# Altium PCB HEXIWEAR_MainBoard_v106.PcbDoc (part 1 of 3) (continued)
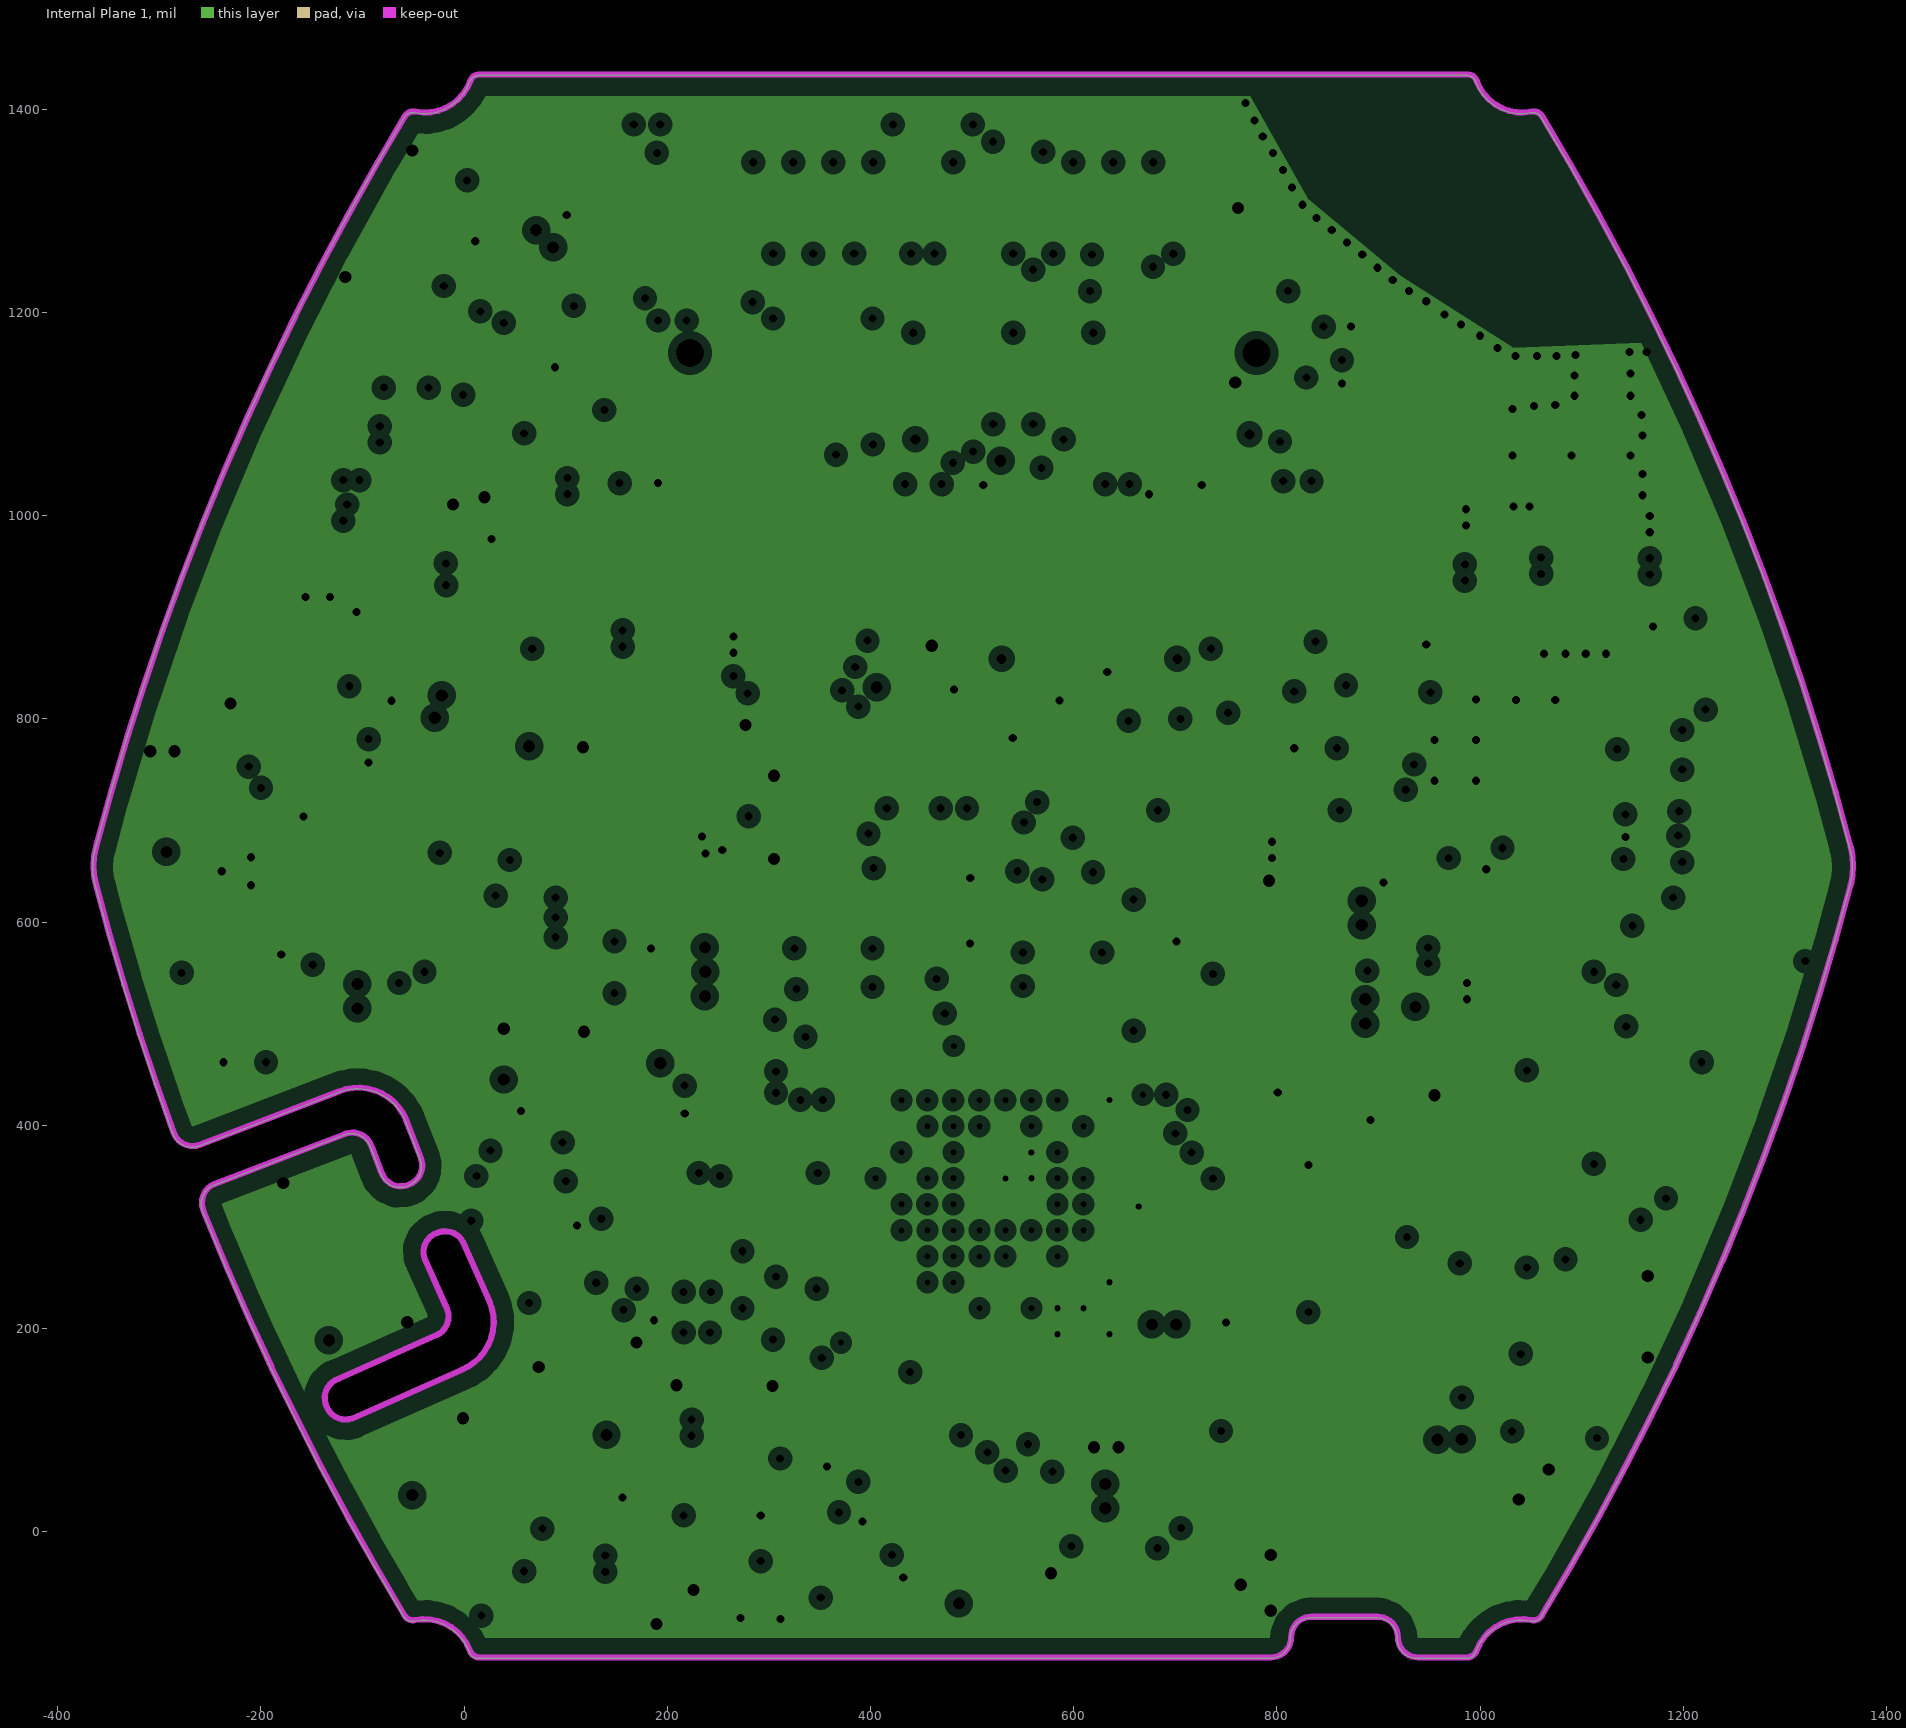
[diagram p5: Internal Plane 1, clearances drawn from the general rule]

## Layer stack, top to bottom
Top Solder: solder mask 0.4, Solder Resist, Dk 3.5
Top Layer: signal copper 1.4
Dielectric 1: core 10, FR-4, Dk 4.2
Internal Plane 2: plane copper 1.417, net (Multiple Nets)
Dielectric 5: prepreg 5, Dk 4.2
Signal Layer 1: signal copper 1.417
Dielectric 3: prepreg 5, Dk 4.2
Signal Layer 2: signal copper 1.417
Dielectric 4: core 10, Dk 4.2
Internal Plane 1: plane copper 1.417, net GND
Dielectric 2: core 10, Dk 4.2
Bottom Layer: signal copper 1.4
Bottom Solder: solder mask 0.4, Solder Resist, Dk 3.5

## Board outline
-256.81,313.88 cw(c-238.84,322.65) -247.6,340.63 -117.47,390.58 cw(c-110.96,371.67) -92.05,378.18 -82.09,352.25 -82.09,352.24 ccw(c-63.18,358.76) -54.23,340.87 ccw(c-62.06,359.28) -43.12,365.71 -43.11,365.71 -57.95,404.37 ccw(c-105.03,384.98) -124.42,432.06 -261.39,379.49 cw(c-267.9,398.4) -286.81,391.88 -286.79,391.89 cw(c2296.72,1334.98) -363.19,635.84 cw(c-293.46,654.16) -363.19,672.51 cw(c2296.53,-27.38) -59.16,1392.01 cw(c-50.73,1386.93) -48.76,1396.57 ccw(c-39.29,1443.04) 5.24,1426.74 cw(c14.48,1423.35) 14.48,1433.19 986.62,1433.19 cw(c986.62,1423.35) 995.86,1426.74 ccw(c1040.39,1443.04) 1049.84,1396.57 cw(c1051.81,1386.93) 1060.24,1392 cw(c-1295.9,-26.65) 1364.02,672.49 cw(c1294.29,654.16) 1364.02,635.82 cw(c-1295.7,1335.71) 1059.99,-83.68 cw(c1051.56,-78.6) 1049.59,-88.25 ccw(c1040.12,-134.71) 995.59,-118.41 cw(c986.35,-115.02) 986.35,-124.87 938.19,-124.87 cw(c938.19,-104.87) 918.19,-104.87 ccw(c898.19,-104.87) 898.19,-84.87 833.19,-84.87 ccw(c833.19,-104.87) 813.19,-104.87 cw(c793.19,-104.87) 793.19,-124.87 14.21,-124.87 cw(c14.21,-115.02) 4.97,-118.41 ccw(c-39.56,-134.71) -49.02,-88.24 cw(c-50.98,-78.6) -59.41,-83.68 cw(c2296.72,1334.98)
cut-out: -135.13,122.52 ccw(c-116.73,130.35) -110.29,111.41 -110.24,111.28 -2.18,159.39 ccw(c-21.76,206.39) 25.23,225.98 -0.82,284.51 -0.83,284.5 ccw(c-18.77,275.66) -26.26,294.21 ccw(c-19.93,275.24) -37.91,266.47 -37.92,266.48 -17.39,220.38 cw(c-35.37,211.61) -26.6,193.64 -123.76,150.38 ccw(c-117.25,131.47)

## Design rules (kind name [scope] priority, off if disabled: settings)
Clearance [All] p1: gap=4
Clearance Clearance_Via/Pad [isVia or isPad vs isTrack or isPad or isVia] p2: gap=6
Clearance Clearance_HiSpeed [InNetClass('HiSpeed') and isTrack] p3: gap=12
Clearance "Clearance_Diff to Poly" [(InDifferentialPairClass('All Differential Pairs')) vs inPoly] p4: gap=16
ComponentClearance [All] p1 off: gap=5 collisioncheckmode=3 verticalgap=100000 showdistances=FALSE
DiffPairsRouting [All] p1: maxlimit=10 minlimit=10 mostfreqgap=10 toplayer_minwidth=4 toplayer_maxwidth=15 toplayer_prefwidth=15 midlayer1_minwidth=4 midlayer1_maxwidth=15 midlayer1_prefwidth=15 midlayer2_minwidth=4 midlayer2_maxwidth=15 midlayer2_prefwidth=15 bottomlayer_minwidth=4 bottomlayer_maxwidth=15 bottomlayer_prefwidth=15 maxuncoupledlength=500
HoleSize [All] p1: absolutevalues=TRUE maxlimit=100 minlimit=6 maxpercent=80.000 minpercent=20.000
HoleToHoleClearance [All] p1: gap=8 allowstackedmicrovias=TRUE
MinimumSolderMaskSliver [All] p1: minsoldermaskwidth=3
PlaneClearance [All] p1: clearance=8
PlaneConnect [All] p1: planeconnectstyle=Direct reliefexpansion=20 reliefentries=4 reliefconductorwidth=10 reliefairgap=10
PolygonConnect PolygonConnect_Via [isVia] p1: connectstyle=Direct reliefconductorwidth=10 reliefentries=4 polygonreliefangle="90 Angle" airgapwidth=10
PolygonConnect PolygonConnect_Pad [isPad] p2: connectstyle=Relief reliefconductorwidth=10 reliefentries=4 polygonreliefangle="90 Angle" airgapwidth=10
RoutingVias [All] p1: holewidth=28 width=50 viastyle="Through Hole" minholewidth=6 minwidth=14 maxholewidth=28 maxwidth=50
SilkToSilkClearance [All] p1: silktosilkclearance=1
SilkToSolderMaskClearance [IsPad] p1: minsilkscreentomaskgap=1 clearancetoexposedcopper=FALSE
SolderMaskExpansion [All] p1: expansion=3
Width [All] p1: maxlimit=40 minlimit=4 preferedwidth=10 minimp=50.000000 maximp=50.000000 favimp=50.000000
21 further rules are at their usual default settings.

## Classes and differential pairs
net class HiSpeed: I2S0_MCLK I2S0_RX_BCLK I2S0_RX_FS I2S0_RXD0 I2S0_TX_BCLK I2S0_TX_FS I2S0_TXD0 MKW40_RST NetR62_2 NetR63_2 NetR66_2 NetR67_2 SPI0_MISO SPI0_MOSI SPI0_SCK SPI1_MISO SPI1_MOSI SPI1_SCK SPI2_MOSI SPI2_SCK USER_SD_CLK USER_SD_D0 USER_SD_D1 USER_SD_D2 USER_SD_D3
component class Accel&Mag: C15 C16 C17 C18 C19 R11 U2
component class AmbiLight: C20 R12 U3
component class ExtConn: C9 C34 CN2 CONN1 D7 FP2 FP3 R23 R24 R25 R26 R59
component class Flash: C35 R27 R28 R29 R30 U6
component class Gyro: C36 C37 C38 C39 R31 U7
component class Humidity&Temp: C30 U9
component class HEXIWEAR_MainBoard_v106: C1 C4 C5 C6 C7 C10 C11 C12 C13 C14 C65 FM1 FM2 FM3 FM4 FM5 FM6 FP4 R2 R3 R4 R5 R7 R8 R9 R10 R55 R62 R63 R66 R67 U1 X1 Y1
component class MKW40Z: A1 C21 C22 C23 C24 C25 C26 C27 C28 C29 C31 C32 C33 C75 C76 CN1 FP1 R6 R13 R14 R15 R16 R17 R18 R19 R20 R21 R22 R58 U4 U5 X2 X3
component class OLED: C44 C45 C46 C47 C73 D6 OLED1 R33 R34 R35 R54
component class PowerMng: BTN1 C3 C48 C49 C50 C51 C52 C53 C54 C55 C56 C57 C58 C59 C71 C72 CN3 D1 D2 D3 L2 L3 L4 M1 M2 M3 R1 R36 R37 R38 R39 R40 R41 R42 R43 R44 R45 R46 R47 R48 R71 R72 U10 U11 U12 U13 U15 U16
component class Pressure&Temp: C8 C60 C61 C62 U14
component class "RGB_LED & Vibro_Mot": C63 C64 D5 LD1 M4 M5 R49 R50 R51 R52 R53
net class AnalogNets: BAT_SENS
component class Heart-Rate: C40 C41 C42 R32 U8
differential pair USB-D: +USB-D_P -USB-D_N
differential pair D: +D_P -D_N

## Components (designator, comment, footprint, x,y, rotation, side; value= is the part's Value field where it differs from the comment)
A1 "2450AT18A100E" 1206_ANTENNA 1062,1289 r118 bottom
BTN1 "Tact Sw 4.6x2.8" CK-KMR2 501.8,48 r0 bottom
C1 "100nF" 0402 735,210 r270 top
C3 "100pF" 0402 8,718 r90 bottom
C4 "100nF" 0402 695,544.67 r90 top locked
C5 "12pF" 0402 810,344 r0 top locked
C6 "2.2uF" 0603 590,144 r0 top
C7 "12pF" 0402 906,451 r270 top locked
C8 "100nF" 0402 -32,81 r270 bottom
C9 "100nF" 0402 -23,1286 r0 bottom
C10 "100nF" 0402 640,450 r180 bottom locked
C11 "100nF" 0402 645,346 r0 bottom
C12 "100nF" 0402 505,345 r90 bottom locked
C13 "1uF" 0402 540,345 r90 bottom locked
C14 "1uF" 0402 595,244 r0 bottom locked
C15 "100nF" 0402 241.89,122.68 r90 bottom locked
C16 "100nF" 0402 196.89,-47.32 r270 bottom locked
C17 "4.7uF" 0603 156.89,-56.32 r270 bottom
C18 "100nF" 0402 276.89,122.68 r270 bottom locked
C19 "100nF" 0402 391.89,-37.32 r90 bottom locked
C20 "100nF" 0402 -40,1330 r180 top locked
C21 "10uF" 0603 822.69,609.89 r180 bottom locked
C22 "100nF" 0402 837.69,670.89 r180 bottom locked
C23 "100nF" 0402 1211,971 r270 top
C24 "100nF" 0402 968,546 r270 bottom locked
C25 "100nF" 0402 838,789 r180 bottom locked
C26 "100nF" 0402 967.69,971 r90 bottom locked
C27 "10pF" 0402 1042,971 r90 bottom locked
C28 "10pF" 0402 1149,971 r90 bottom locked
C29 "10pF" 0402 1120.47,1151.73 r270 bottom locked
C30 "100nF" 0402 -94.39,196.62 r203 top locked
C31 "1pF" 0402 1095,992 r0 bottom locked
C32 "10pF" 0402 919.69,1185.2 r180 bottom locked
C33 "10pF" 0402 864,1089 r90 bottom locked
C34 "10nF" 0402 -63.4,822.89 r158 bottom
C35 "100nF" 0402 955,477 r270 top locked
C36 "100nF" 0402 170.63,483.82 r90 bottom locked
C37 "100nF" 0402 100.63,483.82 r90 bottom locked
C38 "1uF" 0402 65.63,483.82 r90 bottom locked
C39 "100nF" 0402 135.63,483.82 r270 bottom locked
C40 "100nF" 0402 498.8,825.67 r90 bottom
C41 "10nF" 0402 466,825.67 r90 bottom
C42 "10uF" 0603 428,841 r90 bottom locked
C44 "4.7uF" 0805 1105,973 r270 top
C45 "4.7uF" 0805 60,1070 r180 bottom locked
C46 "1uF" 0402 170,1053 r0 bottom locked
C47 "1uF" 0402 930,805 r270 top locked
C48 "10uF" 0805 -92,1080 r0 top locked
C49 "2.2uF" 0603 -216,977 r270 top
C50 "10uF" 0603 268.28,774.07 r0 bottom locked
C51 "100nF" 0402 199.78,594.06 r180 bottom locked
C52 "1uF" 0402 274.78,594.06 r0 bottom locked
C53 "10uF" 0603 274.78,634.06 r0 bottom locked
C54 "100nF" 0402 618,838 r90 bottom
C55 "1uF" 0402 550.67,806 r0 bottom
C56 "100nF" 0402 653,276 r0 bottom
C57 "1uF" 0402 108,1167 r270 bottom locked
C58 "1uF" 0402 -281,746 r180 bottom
C59 "2.2uF" 0603 -283.58,674.96 r90 bottom locked
C60 "100nF" 0402 98.23,140.98 r270 top locked
C61 "10uF" 0603 140.16,155.67 r270 top locked
C62 "100nF" 0402 48.23,140.98 r270 top locked
C63 "4.7uF" 0603 517,-41 r0 top locked
C64 "10uF" 0603 1007,61 r0 top locked
C65 "10uF" 0603 665,136.5 r270 bottom
C71 "2.2uF" 0603 830,953 r90 bottom
C72 "2.2uF" 0603 659,964 r90 bottom
C73 "1uF" 0402 829,1089 r90 bottom locked
C75 "12pF" 0402 793,725 r270 bottom
C76 "12pF" 0402 661,669 r270 bottom
CN1 "HDR-2X10SMD" "CONN_2X10PIN - NO HOLE" 1249,785 r0 top locked
CN2 "USB MINIAB" "USB_MICRO_SMD V2" -181,1026 r67 bottom locked
CN3 "BATT CONN" SM02B-SRSS-TB(LF)(SN) -224,709 r90 top
CONN1 "50 pin SMD Molex" CONN_2X25PIN 264.87,1135 r270 bottom locked
D1 "PMEG3010ER" SOD123W 143,824 r180 bottom
D2 "PMEG3010ER" SOD123W -27.17,498.19 r180 bottom locked
D3 "PMEG3010ER" SOD123W -111,636 r0 bottom
D5 "BAT43W" SOD123W 899.92,85 r180 top locked
D6 "RB480K" SC-82A 265,953 r270 bottom locked
D7 "PUSBM5V5X4-TL,115" XFDFN-6 33,932 r248 bottom
FM1 "FIDUCIAL MARK" "FIDUCIAL MARK 0.6MM" -36,732 r90 top
FM2 "FIDUCIAL MARK" "FIDUCIAL MARK 0.6MM" 368,1396 r90 top
FM3 "FIDUCIAL MARK" "FIDUCIAL MARK 0.6MM" 605,-74 r90 top locked
FM4 "FIDUCIAL MARK" "FIDUCIAL MARK 0.6MM" 0,0 r90 bottom
FM5 "FIDUCIAL MARK" "FIDUCIAL MARK 0.6MM" 368,1396 r90 bottom
FM6 "FIDUCIAL MARK" "FIDUCIAL MARK 0.6MM" 1235,392 r90 bottom
FP1 "FERRITE" 0603 822,560 r0 bottom
FP2 "FERRITE" 0603 165,1275 r90 bottom locked
FP3 "FERRITE" 0603 -54.07,864.88 r158 bottom
FP4 "FERRITE" 0603 710,136 r90 bottom
L2 "10uH" 0805 -60,920 r270 top locked
L3 "1uH" 0805 189.78,684.06 r270 bottom locked
L4 "10uH" 0805 761,951 r270 bottom
LD1 "LED RGB" LED_RGB_1x1 502,24 r90 top locked
"LOGO MIKROE V1" "Comment" "LOGO MIKROE V1" 33,407 r0 top
"LOGO RECYCLE v1" "Comment" "LOGO RECYCLE V1" 1089,131 r180 bottom
M1 "DMP2160UW" SOT323 64.25,610.81 r0 bottom
M2 "DMP21D0UFB4" X2-DFN1006-3_V2 -279,513 r270 bottom locked
M3 "DMP21D0UFB4" X2-DFN1006-3 52.8,1166.89 r0 bottom locked
M4 "Vibration Motor" "1X2 SMD" 869,-32 r180 top locked
M5 "DMG3420U" SOT23 756,-13 r0 top locked
OLED1 "PSP27801" PSP27801 1009.35,1357.13 r180 top locked
R1 "100K" 0402 -93,720 r90 bottom
R2 "4K7" 0402 38,-59 r180 top locked
R3 "4K7" 0402 111,-59 r0 top locked
R4 "10K" 0402 610,1047 r0 bottom locked
R5 "10K" 0402 315,469 r0 bottom
R6 "0" 0805 814.5,499 r180 bottom
R7 "10K" 0402 729,545 r270 top locked
R8 "10K" 0402 684.17,1047.4 r0 bottom locked
R9 "4K7" 0402 66,303 r270 top
R10 "4K7" 0402 32,303 r270 top
R11 "100K" 0402 176.89,14.68 r180 bottom
R12 "100K" 0402 -45,1158 r180 top locked
R13 "10K" 0402 1118,546 r270 bottom
R14 "1M" 0402 1212,857 r90 bottom locked
R15 "1M" 0402 1252,857 r90 bottom locked
R16 "1M" 0402 1293.54,504.66 r90 bottom locked
R17 "1M" 0402 1254,504 r90 bottom locked
R18 "1M" 0402 1217.54,504.66 r270 bottom locked
R19 "1M" 0402 1182.54,504.66 r270 bottom locked
R20 "27" 0402 1042.69,545.89 r90 bottom locked
R21 "27" 0402 1087.69,545.89 r90 bottom locked
R22 "100K" 0402 838,848 r180 bottom locked
R23 "8K2" 0402 -76.65,790.11 r338 bottom
R24 "33" 0402 213.57,199.68 r270 bottom
R25 "33" 0402 244.83,199.68 r270 bottom
R26 "15K" 0402 -148.77,819.25 r158 bottom
R27 "10K" 0402 1015,136 r90 top locked
R28 "100K" 0402 1115,136 r90 top locked
R29 "100K" 0402 996,599 r90 top
R30 "27" 0402 1065,136 r90 top locked
R31 "100K" 0402 105.63,218.82 r0 bottom locked
R32 "100K" 0402 671,535 r0 bottom
R33 "1M" 0402 764.17,1047.4 r0 bottom locked
R34 "100K" 0402 735,827 r90 bottom locked
R35 "10K" 0402 780,827 r90 bottom locked
R36 "1M" 0402 87,661 r180 bottom
R37 "54K9" 0402 -119,826 r180 top
R38 "1M" 0402 -232,860 r0 top
R39 "5K" 0402 -190,826 r180 top
R40 "1M" 0402 -278,586 r270 bottom locked
R41 "1K" 0402 -313,586 r270 bottom locked
R42 "100K" 0402 -216,517 r0 bottom locked
R43 "200K" 0402 -215,484 r180 bottom locked
R44 "1M" 0402 53,1217 r180 bottom locked
R45 "100K" 0402 122,1275 r270 bottom
R46 "1K" 0402 -2.2,1166.89 r270 bottom locked
R47 "100K" 0402 -207,746 r0 bottom
R48 "16K9" 0402 -198.58,549.96 r0 bottom locked
R49 "620" 0402 447,4 r90 top locked
R50 "220" 0402 577,4 r180 top locked
R51 "280" 0402 577,39 r180 top locked
R52 "100" 0402 668,-23 r90 top locked
R53 "100K" 0402 756,-92 r0 top
R54 "51" 0805 120,937 r90 bottom
R55 "0" 0805 705,35 r0 bottom
R58 "10K" 0402 1149,546 r270 bottom locked
R59 "1M" 0402 -23,1254 r0 bottom
R62 "27" 0402 335,185 r90 top locked
R63 "27" 0402 413,140 r180 top
R66 "27" 0402 321,929.24 r270 bottom locked
R67 "27" 0402 365.39,929.57 r270 bottom locked
R71 "1M02" 0402 435,983 r0 bottom
R72 "332K" 0402 435,948 r180 bottom
RoHs "Comment" "LOGO ROHS V1" 551.1,146.68 r180 bottom
U1 "MK64FN1M0VDC12" BGA121-0.65 520,335 r90 top locked
U2 "FXOS8700CQ" QFN16_3X3_0.5 291.89,-7.32 r270 bottom locked
U3 "TSL2561" TSL2561FN -62.6,1244.25 r270 top locked
U4 "MKW40Z160VHT4" MAPLGA48_7X7_0.5 1035.34,759.54 r90 bottom locked
U5 "2.45GHz Balun" 2450BL15B100 1090.34,1059.54 r180 bottom locked
U6 "W25Q64FVSSIG" "SO-8 200MIL WIDE" 1014.8,211.26 r90 top locked
U7 "FXAS21002C" QFN24_4X4_0.5 130.63,343.82 r90 bottom locked
U8 "MAX30101_adapter" "OESIP-14 ADAPTER" 595.87,601 r90 bottom locked
U9 "HTU21D" HTU21D -149.21,273.78 r113 top locked
U10 "SC195" MLPQ-UT8_1.5x1.5 277.8,704.06 r180 bottom locked
U11 "MIC2290" MLF8_2X2_0.5 -114.5,957.56 r180 top
U12 "TCR2EE18" SOT-553 556.67,859 r270 bottom
U13 "MC34671" UDFN8_2X3_0.5 -209.8,649.96 r270 bottom
U14 "MPL3115A2" "MPL3115A- 8pin" 23.23,30.98 r270 top locked
U15 "SIP32431DNP3-T1GE4" UFDFN-4 91,722 r0 bottom
U16 "AAT1217" "SOT23-6 V2" 505,927 r90 bottom
X1 "32.768kHz" 1206_MINIMELF_COMBO 790,230 r90 top
X2 "32MHz" XTAL_3.2x2.5 945.34,1089.7 r90 bottom locked
X3 "32.768kHz" 1206_MINIMELF_COMBO 726,685 r270 bottom
Y1 "12MHz" ABM8G 810,425 r180 top locked
